# KiCad board RUSP_Mainboard-BGA.kicad_pcb (continued)
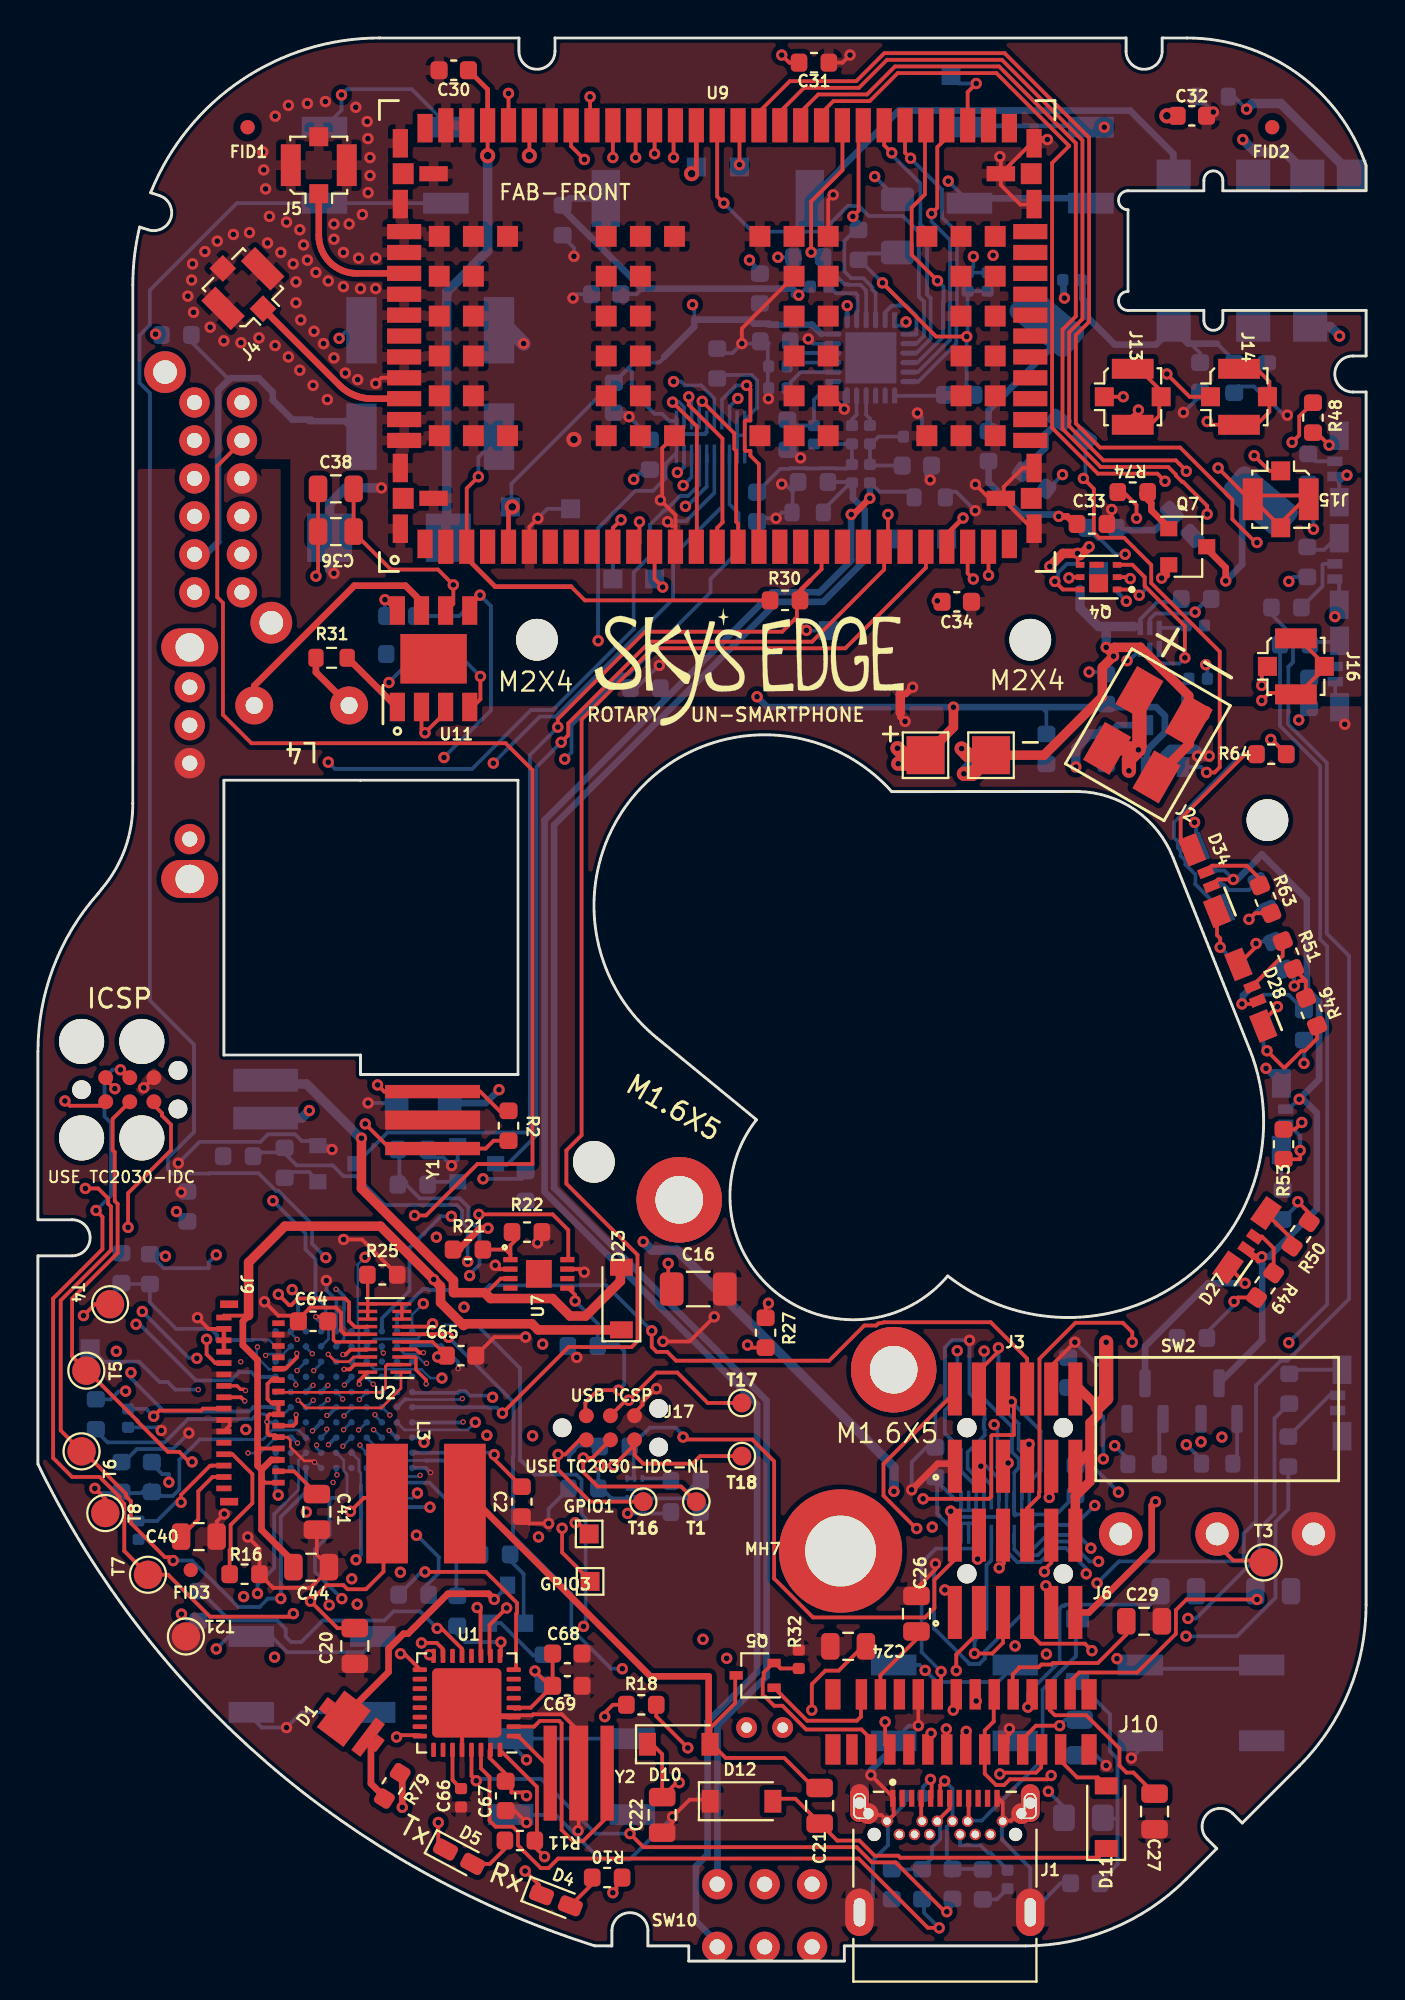
[diagram p0: board, top side]
## Routing (per net, layer and track width the routed paths; a pad name or vN(x,y) marks a point on that pad's centre or on a via; arc(x,y) is an arc through that point) (continued)
  L6_GND.Cu w0.2: 23.33,33.31 25.41,31.23 25.41,26.41 25.54,26.28 ; 25.54,26.28 26.2,25.62 28.38,25.62 28.65,25.35 28.65,23.53 28.86,23.32 28.86,17.74 v1(28.76,17.63) ; 25.54,26.28 25.42,26.4 25.38,26.4
/EPD_CS: length 55.7
  L3_3v8+GNDA.Cu w0.2: v1(21.79,39.23) 22.6,40.04 28.37,40.04 39.91,28.5 46.24,28.5 v1(49.87,32.13)
  L6_GND.Cu w0.18: U8.18 51.45,25.74
  L6_GND.Cu w0.2: U8.18 51.45,23.53 51.5,23.47 51.56,23.53 53.67,23.53 R26.2 ; v1(49.87,32.13) 49.87,29.62 51.33,28.16 51.33,26.82 51.69,26.47 51.69,25.97 51.45,25.74 ; 18.12,33.17 18.12,33.85 19.58,35.3 19.58,37.57 21.24,39.23 v1(21.79,39.23)
/EPD_DC: length 42.2
  L2_3v3+GNDA.Cu w0.14: v2(16.94,29.58) 19.9,29.58 20.33,29.15 22.3,29.15 22.33,29.18
  L2_3v3+GNDA.Cu w0.2: v1(50.4,28.26) 50.4,27.24 50.21,27.05 48.99,27.05 48.65,26.71 48.58,26.71 48.51,26.64 37.52,26.64 33.38,30.78 30.03,30.78 29.78,30.53 23.79,30.53 22.75,29.49 22.75,29.36 22.58,29.18 22.33,29.18
  L6_GND.Cu w0.14: U4.D6 17.33,29.96 v2(16.94,29.58)
  L6_GND.Cu w0.18: U8.17 51.05,25.51
  L6_GND.Cu w0.2: 51.05,25.51 50.56,26 50.56,28.1 v1(50.4,28.26)
/EPD_RESET: length 49.2
  L1_GND+GNDA.Cu w0.2: v1(38.5,34.65) 38.35,34.5 R27.2
  L2_3v3+GNDA.Cu w0.2: 37.92,34.62 38.47,34.62 v1(38.5,34.65) ; 37.92,34.62 43.9,28.65 46.3,28.65 48.05,30.4 48.05,30.85 48.45,31.25 v1(48.45,32.15) ; 37.92,34.62 37.92,34.03 35.79,31.9 30.75,31.9 30.3,32.35 27.54,32.35 26.82,31.63 23.32,31.63 22.4,30.71 v1(21.29,30.71)
  L6_GND.Cu w0.14: U4.D8 17.73,31.17 20.22,31.17 20.68,30.71 v1(21.29,30.71) 21.29,30.74
  L6_GND.Cu w0.18: U8.14 49.85,24.98
  L6_GND.Cu w0.2: v1(48.45,32.15) 48.45,29.66 47.8,29.01 47.8,27.8 48.65,26.95 48.65,25.8 49.29,25.17 49.66,25.17 49.85,24.98
/GPIO1: length 13.8
  L1_GND+GNDA.Cu w0.2: v1(28.32,23.09) 28.46,23.09 GPIO1.1
  L5_3v8.Cu w0.2: v1(20.66,23.91) 20.87,23.7 27.71,23.7 v1(28.32,23.09)
  L6_GND.Cu w0.14: 18.07,24.08 17.34,24.81 17.34,25.96 U4.D1
  L6_GND.Cu w0.2: 18.07,24.08 18.24,23.91 v1(20.66,23.91)
/GPIO3: length 18.9
  L1_GND+GNDA.Cu w0.2: v1(27.62,22.8) 27.62,21.53 29.15,20
  L5_3v8.Cu w0.2: v1(27.62,22.8) 26.57,21.75 21.34,21.75 20.9,22.19 20.9,22.28 19.88,23.3 19.88,24.53 v1(20,24.65)
  L6_GND.Cu w0.14: v1(20,24.65) 19.73,24.38 18.62,24.38 17.72,25.28 17.72,27.18 U4.D3
/GPIO4: length 14.8
  L2_3v3+GNDA.Cu w0.14: v2(15.23,28.74) 14.45,28.74 14.05,29.14 11.58,29.14 11.21,28.77 10.14,28.77 8.81,30.1 v2(8.45,30.1)
  L6_GND.Cu w0.2: 2.85,32.2 3.48,31.57 5.34,31.57 6.41,30.5 6.84,30.5 7.24,30.1 v2(8.45,30.1) ; 15.72,29.17 15.29,28.74 v2(15.23,28.74)
/LED_1A: length 74.4
  L2_3v3+GNDA.Cu w0.2: v1(60.51,17.11) 60.3,17.32 53.01,17.32 52.89,17.45 49.88,17.45 49.88,17.45 48.8,17.45 48.69,17.35 45.86,17.35 44.56,16.05 38.83,16.05 36.33,18.55 27.94,18.55 24.94,15.55 21.85,15.55 21.19,14.89 18.56,14.89 15.35,18.09 v1(15.35,18.75)
  L4_GND.Cu w0.14: 15.19,24.91 15.19,25.56 15.71,26.07 15.71,27.74 15.58,27.87 15.58,28.17 15.58,28.17 15.58,28.27 16.03,28.72 v2(16.13,28.72)
  L4_GND.Cu w0.2: 15.19,24.91 15.19,18.91 v1(15.35,18.75)
  L6_GND.Cu w0.14: 16.52,29.17 16.52,29.11 v2(16.13,28.72)
  L6_GND.Cu w0.2: R59.2 65.9,23.81 65.22,23.13 65.22,19.14 63.19,17.11 v1(60.51,17.11)
/LED_1R: length 73.7
  L2_3v3+GNDA.Cu w0.2: v1(16.02,19.09) 15.9,18.98 15.9,18.04 18.7,15.24 21.04,15.24 21.7,15.9 24.8,15.9 27.8,18.9 36.48,18.9 38.98,16.4 44.42,16.4 45.72,17.7 48.55,17.7 48.7,17.85 52.98,17.85 53.16,17.67 60.24,17.67 v1(60.61,18.05)
  L6_GND.Cu w0.14: 16.24,24.56 16.29,24.61 16.29,25.65 16.12,25.82 16.12,26.38 15.72,26.78
  L6_GND.Cu w0.2: v1(16.02,19.09) 14.6,20.51 14.6,21.69 15.37,22.46 15.37,24.29 15.48,24.4 16.08,24.4 16.24,24.56 ; R60.2 65.18,28.59 65.18,23.58 64.37,22.77 64.37,21.38 61.04,18.05 v1(60.61,18.05)
/LED_2A: length 118.2
  L2_3v3+GNDA.Cu w0.2: v1(16.83,18.8) 17.5,18.12 21.65,18.12 21.72,18.05 24.93,18.05 26.38,19.5 36.42,19.5 39.17,16.75 44.27,16.75 45.72,18.2 55.87,18.2 69.05,31.38 69.05,52.69 68.16,53.59 68.16,67.35 67.23,68.29 v1(67.23,75.42)
  L5_3v8.Cu w0.14: v2(16.11,27.99) 16.11,27.99 15.68,27.56 15.68,26.2 16.12,25.76 16.12,25.44 15.91,25.23 15.91,24.8 15.91,24.8
  L5_3v8.Cu w0.2: 15.91,24.8 15.92,24.79 15.92,19.98 16.83,19.07 v1(16.83,18.8)
  L6_GND.Cu w0.14: v2(16.11,27.99) 16.49,28.38 16.52,28.38
  L6_GND.Cu w0.2: 67.05,77.85 67.05,77.05 67.23,76.88 v1(67.23,75.42)
/LED_2R: length 122.7
  L1_GND+GNDA.Cu w0.2: R48.2 66.47,81.36 66.47,80.37 v1(66.1,80)
  L2_3v3+GNDA.Cu w0.2: v1(66.1,80) 63.65,77.55 63.65,71.37 67.81,67.21 67.81,53.44 68.7,52.55 68.7,32.98 58.83,23.1 58.83,21.65 55.73,18.55 45.96,18.55 45.92,18.6 45.63,18.6 44.13,17.1 39.32,17.1 36.57,19.85 24.53,19.85 24.28,19.6 21.63,19.6 21.29,19.26 18.01,19.26 17.89,19.13 17.33,19.13 17.05,19.41 17.05,19.63 v1(16.54,20.14)
  L5_3v8.Cu w0.14: v1(16.54,20.14) 16.24,20.44 16.24,21.35 16.99,22.1 16.99,25.42 16.07,26.34 v2(16.07,27.12)
  L6_GND.Cu w0.14: v2(16.07,27.12) U4.E3
/LED_3A: length 111
  L2_3v3+GNDA.Cu w0.2: 49.95,19 47.57,19 47.55,19.03 45.56,19.03 43.98,17.45 39.98,17.45 37.1,20.32 21.62,20.32 21.23,19.93 18.87,19.93 18.55,20.25 17.65,20.25 v1(16.76,21.14) ; 49.95,19 54.88,19 55.79,19.91 v1(55.82,19.91) ; 49.95,19 49.98,19.03
  L6_GND.Cu w0.14: 17.02,25.07 17.02,25.71 16.92,25.81 16.92,26.38 16.52,26.78
  L6_GND.Cu w0.2: 17.02,25.07 17.02,21.4 v1(16.76,21.14) ; R55.2 64.78,71.06 64.89,71.06 66.15,69.8 66.15,68.42 65.9,68.18 65.9,65.15 67.92,63.12 67.92,54.12 69.1,52.95 69.1,34.88 65.85,31.62 65.5,31.62 64.2,30.32 64.2,23.17 63.55,22.52 63.55,21.06 56.98,21.06 55.84,19.91 v1(55.82,19.91)
/LED_3R: length 102.5
  L3_3v8+GNDA.Cu w0.14: 22.25,32.3 22.21,32.34 20.75,32.34 20.41,32.68 20.06,32.68 19.94,32.8 13.71,32.8 v2(13.66,32.75)
  L3_3v8+GNDA.Cu w0.2: 22.25,32.3 23.54,32.3 25.6,30.24 25.6,27.98 25.52,27.9 25.52,26.93 26.08,26.37 26.93,26.37 27.94,25.36 33.62,25.36 33.89,25.63 46.57,25.63 47.95,24.25 48.33,24.25 48.63,23.95 52.02,23.95 56.52,28.45 57.47,28.45 63.22,34.2 63.27,34.2 66.87,37.8 67.33,37.8 67.43,37.9 67.43,65.53 65.92,67.03 v1(65.92,72.67)
  L6_GND.Cu w0.14: 13.33,33.17 13.33,33.08 v2(13.66,32.75)
  L6_GND.Cu w0.2: R56.2 66.16,72.91 v1(65.92,72.67)
/LED_4A: length 90.9
  L2_3v3+GNDA.Cu w0.14: 22.31,30.13 20.7,30.13 20.6,30.03 16.78,30.03 16.57,30.24 16.57,30.54 16.31,30.8 14.97,30.8 v2(14.5,30.33)
  L2_3v3+GNDA.Cu w0.2: v1(66.45,65.38) 66.51,65.31 66.51,62.01 66.6,61.92 66.6,52.78 67.65,51.73 67.65,35.38 62.28,30.01 48.33,30.01 46.5,28.17 42.92,28.17 42.75,28 37.2,28 33.65,31.55 28.93,31.55 28.63,31.25 23.43,31.25 22.31,30.13
  L6_GND.Cu w0.2: R57.2 66.45,65.46 v1(66.45,65.38) ; v2(14.5,30.33) 14.48,30.33 U4.H6
/LED_4R: length 90.4
  L2_3v3+GNDA.Cu w0.2: v2(22.36,29.63) 23.64,30.9 29.53,30.9 29.82,31.2 33.51,31.2 37.06,27.65 47.13,27.65 48.83,29.35 49.26,28.91 51.53,28.91 52.28,29.66 62.49,29.66 65.41,32.57 v1(65.92,32.57)
  L6_GND.Cu w0.14: 19.51,29.59 19.52,29.58 21.85,29.58 22.32,29.58 v2(22.36,29.63)
  L6_GND.Cu w0.2: R58.2 65.46,65.06 67.58,62.95 67.58,53.82 67.95,53.45 67.95,34.6 v1(65.92,32.57) ; 19.51,29.59 19.34,29.59 18.92,29.17
/LED_5A: length 47.3
  L2_3v3+GNDA.Cu w0.14: v2(18.55,28.76) 20.09,28.76 20.18,28.85
  L2_3v3+GNDA.Cu w0.2: 20.18,28.85 20.2,28.83 22.72,28.83 22.82,28.93 23.28,28.93 24.45,27.76 25.38,27.76 25.84,28.22 26.55,28.22 26.67,28.1 26.67,27.28 26.87,27.08 26.87,26.46 27.8,25.52 58.84,25.52 v1(60.52,27.2)
  L6_GND.Cu w0.14: 18.14,29.17 v2(18.55,28.76)
  L6_GND.Cu w0.2: v1(60.52,27.2) 61.33,26.4 R42.2 ; 18.12,29.17 18.14,29.17
/LED_5R: length 40.4
  L2_3v3+GNDA.Cu w0.2: v1(56.75,27.15) 56.07,27.15 55.54,26.62 52.06,26.62 51.9,26.79 50.91,26.79 50.66,26.54 50,26.54 49.92,26.62 49.11,26.62 48.78,26.29 32.3,26.29 28.98,29.61 24.05,29.61 v1(23.96,29.7)
  L6_GND.Cu w0.14: 19.77,29.94 19.73,29.97 U4.A6
  L6_GND.Cu w0.2: R43.2 57.45,26.45 v1(56.75,27.15) ; 19.77,29.94 19.78,29.93 22.12,29.93 22.2,30.01 22.53,30.01 22.75,29.79 23.88,29.79 v1(23.96,29.7)
/LED_BELL: length 8.5
  L6_GND.Cu w0.14: 20.48,26.31 20.42,26.37 19.33,26.37 18.92,26.78
  L6_GND.Cu w0.2: 20.42,26.37 21.41,26.37 23.31,24.47 R78.2
/LED_FILAMENT: length 80.7
  L1_GND+GNDA.Cu w0.2: v1(57.9,76) 57.9,76.69 57.21,77.38
  L4_GND.Cu w0.14: v2(14.51,29.54) 14.92,29.95 14.92,30.48 15.38,30.94 15.38,31.09 15.71,31.42 15.71,32.1 16.1,32.48 16.17,32.48
  L4_GND.Cu w0.2: 23.86,40.61 27.45,44.2 27.45,61.49 28.62,62.67 28.62,69.93 32.7,74.01 53.69,74.01 55.38,75.7 57.6,75.7 v1(57.9,76) ; 23.9,40.65 23.25,40.65 22.34,39.74 22.34,38.65 16.17,32.48
  L6_GND.Cu w0.14: 14.12,29.17 14.15,29.17 v2(14.51,29.54)
/LED_STAT: length 80.2
  L4_GND.Cu w0.14: 16.48,30.6 16.52,30.56 16.52,30 16.51,29.99 15.72,29.99 15.3,29.57 v2(15.28,29.57)
  L4_GND.Cu w0.2: 16.48,30.6 16.48,30.97 16.52,31.01 16.52,32.34 22.69,38.51 22.69,39.6 22.98,39.88 23.67,39.88 27.8,44.01 27.8,61.35 28.97,62.52 28.97,69.79 30.24,71.05 52.9,71.05 53,70.95 54.15,70.95 v1(57.3,74.1)
  L6_GND.Cu w0.14: 14.92,29.17 14.92,29.21 v2(15.28,29.57)
  L6_GND.Cu w0.2: v1(57.3,74.1) 56.8,74.1 56,74.9 55.86,74.9 R44.2
/MCURX-TO-FTDITX: length 10.1
  L6_GND.Cu w0.14: 18.77,25.42 18.52,25.67 18.52,26.38 18.12,26.78
  L6_GND.Cu w0.2: 22.05,19.25 22.05,23.78 20.63,25.2 18.99,25.2 18.77,25.42
/MCUTX-TO-FTDIRX: length 11.6
  L5_3v8.Cu w0.14: v2(17.69,27.99) 18.16,27.52 18.16,25.39
  L5_3v8.Cu w0.2: v1(19.95,22.43) 19.56,22.43 19.46,22.33 18.99,22.33 18.99,22.35 18.03,23.31 18.03,25.26 18.16,25.39
  L6_GND.Cu w0.14: v2(17.69,27.99) 17.71,27.99 U4.C3
  L6_GND.Cu w0.2: 20.29,19.6 21.12,20.44 21.12,21.28 20.03,22.37 20.01,22.37 v1(19.95,22.43)
/MISO: length 102.2
  L1_GND+GNDA.Cu w0.2: T6.1 1.2,27.95 1.2,34.8 3.85,37.45 3.85,39.74 3.7,39.89 3.7,40.18 3.18,40.7 v1(2.5,40.7) ; v1(51.14,26.24) 50.96,26.06 J3.5 ; 2.35,26.9 4.65,24.6 4.65,24.48 4.9,24.22 4.9,23.07 6.69,21.27 6.95,21.27 v1(7.13,21.1) ; J7.1 3.36,45.05 1.67,45.05 v1(1.42,45.31)
  L2_3v3+GNDA.Cu w0.2: v1(12.8,19.1) 13.56,19.1 13.82,18.84 13.82,18.73 14.14,18.41 14.25,18.41 18.12,14.54 21.33,14.54 21.99,15.2 25.2,15.2 28.2,18.2 35.63,18.2 38.13,15.7 44.71,15.7 46,17 48.84,17 48.94,17.1 49.73,17.1 49.78,17.05 51.05,17.05 v1(51.5,16.6) ; v1(2.5,40.7) 3.9,42.1 3.9,44 2.85,45.05 1.67,45.05 v1(1.42,45.31)
  L5_3v8.Cu w0.2: 51.45,16.85 51.45,16.5 ; 51.45,16.85 51.45,16.85 ; 51.45,16.85 51.45,19.6 51.62,19.77 51.62,25.75 v1(51.14,26.24)
  L6_GND.Cu w0.2: U4.H1 14.12,24.72 12.8,23.4 v1(12.8,19.1) 12.13,19.1 11.68,18.65 10.57,18.65 8.12,21.1 v1(7.13,21.1)
/MOSI: length 133.2
  L1_GND+GNDA.Cu w0.2: J3.4 49.59,31.08 50.62,32.11 v1(50.62,32.31) ; U2.14 17.32,33.42 17.3,33.4 16.71,33.4 16.4,33.71 16.4,34.7 16.2,34.9 13.7,34.9 13.35,34.55 13.24,34.55 v1(12.67,35.12) ; v1(4.35,46.95) 4.77,46.53 J7.4 ; v1(3.06,39.54) 3.4,39.2 3.4,37.5 0.8,34.9 0.8,26.5 1.8,25.5 3.26,25.5 4.3,24.46 4.3,24.33 4.55,24.08 4.55,21.6 T7.1 6.86,20.35 9.07,18.14 13.3,18.14 v1(13.46,18.3)
  L2_3v3+GNDA.Cu w0.2: v1(35.05,16.95) 34.05,15.95 28.76,15.95 26.96,14.15 22.43,14.15 21.76,13.48 17.48,13.48 13.11,17.85 13.11,17.95 v1(13.46,18.3)
  L3_3v8+GNDA.Cu w0.2: v1(12.67,35.12) 12.67,35.13 12.08,35.72 12.08,36.27 9.06,36.27 5.79,39.54 v1(3.06,39.54) ; v1(47.13,22.86) 47.13,22.44 46.45,21.75 46.45,19.55 44.15,17.25 35.35,17.25 v1(35.05,16.95)
  L5_3v8.Cu w0.14: v1(12.67,35.12) 13.49,34.3 14.8,34.3 15,34.1 15,33.79 14.89,33.69 14.89,29.01 14.83,28.95 14.83,28.41 v2(15.22,28.02)
  L5_3v8.Cu w0.2: v1(50.62,32.31) 50.62,28.87 50.95,28.54 50.95,28 49.57,26.62 49.44,26.62 47.28,24.45 47.28,24.18 47.21,24.11 47.21,22.93 v1(47.13,22.86)
  L6_GND.Cu w0.14: v2(15.22,28.02) 15.22,27.87 U4.G3
  L6_GND.Cu w0.18: U8.19 51.85,25.64
  L6_GND.Cu w0.2: v1(4.35,46.95) 3.93,46.95 3.5,46.53 3.5,44.5 3.85,44.15 3.85,40.33 v1(3.06,39.54) ; v1(50.62,32.31) 50.62,29.37 51.68,28.3 51.68,26.96 52.04,26.61 52.04,25.83 51.85,25.64
/NET_STAT: length 71.6
  L1_GND+GNDA.Cu w0.2: U9.25 46.8,73.4 42.55,69.15 32.4,69.15 28.65,65.4 28.65,43.5 27.85,42.7 27.85,40.95 31.6,37.2 31.6,32.65 31.29,32.34 28.64,32.34 28.63,32.35 27.97,32.35 v1(24.48,28.86) ; 46.8,73.9 46.8,74.7
  L6_GND.Cu w0.2: 19.73,29.17 23.71,29.17 23.73,29.15 24.19,29.15 v1(24.48,28.86)
/OFFSIGNAL: length 72.7
  L1_GND+GNDA.Cu w0.2: 10.8,80.1 9.45,78.75 9.45,71.85 9.75,71.55 9.75,65.65 11.25,64.15 24.65,64.15 26.07,62.73 26.07,41.99 23.16,41.99 20.45,39.28 v1(19.85,39.28)
  L5_3v8.Cu w0.14: v2(17.67,30.39) 17.37,30.69 17.37,35.6
  L5_3v8.Cu w0.2: 17.37,35.56 16.61,36.32 16.61,37.22 17.11,37.72 18.29,37.72 v1(19.85,39.28)
  L6_GND.Cu w0.14: U4.D7 17.33,30.73 v2(17.67,30.39)
/OLED DRIVER/OLED_CS_3V3: length 10.9
  L1_GND+GNDA.Cu w0.14: v2(13.71,29.54) 13.73,29.54 14.13,29.14 18.1,29.14 19.13,30.17 U2.1
  L1_GND+GNDA.Cu w0.2: J9.17 10.7,29.7 v2(10.9,29.5)
  L2_3v3+GNDA.Cu w0.14: v2(13.71,29.54) 13.67,29.5 v2(10.9,29.5)
/OLED DRIVER/OLED_DC_3V3: length 14
  L1_GND+GNDA.Cu w0.14: v2(10.94,30.05) 10.9,30.09 10.9,30.12
  L1_GND+GNDA.Cu w0.18: 10.9,30.12 10.68,30.12 10.5,30.3 J9.19 ; U2.3 19.85,31.82 19.92,31.75 19.92,31.15 20.46,30.61 v2(20.46,30.4)
  L3_3v8+GNDA.Cu w0.14: v2(20.46,30.4) 20.03,29.97 18.91,29.97 18.08,29.14 11.85,29.14 v2(10.94,30.05)
/OLED DRIVER/OLED_IREF: length 7.7
  L1_GND+GNDA.Cu w0.2: J9.7 10.25,26.7 11.3,25.65 11.3,24.12 10.15,22.97 10.15,21.7 10.1,21.65 R16.1
/OLED DRIVER/OLED_MOSI_3V3: length 15.8
  L1_GND+GNDA.Cu w0.2: U2.7 20.65,33.42 v1(20.8,33.57) ; J9.23 9.35,31.5 8.89,31.96 v1(8.89,32.75)
  L3_3v8+GNDA.Cu w0.2: v1(8.89,32.75) 9.64,33.5 20.73,33.5 v1(20.8,33.57)
/OLED DRIVER/OLED_RES_3V3: length 7.8
  L1_GND+GNDA.Cu w0.14: J9.18 12.72,29.96 18.11,29.96 18.32,30.17 18.32,31.33 18.34,31.35
  L1_GND+GNDA.Cu w0.18: 18.34,31.35 18.41,31.42 U2.2
/OLED DRIVER/OLED_SCL_3V3: length 9.7
  L1_GND+GNDA.Cu w0.2: U2.4 19.93,32.22 20.1,32.05 v2(20.32,32.05) ; v2(13.64,32.01) 13.64,31.79 13.05,31.2 J9.22
  L2_3v3+GNDA.Cu w0.14: v2(20.32,32.05) 19.84,31.57 15.02,31.57 14.99,31.6 14.08,31.6 13.82,31.86 13.79,31.86 v2(13.64,32.01)
/OLED DRIVER/OLED_VCOMH: length 2.5
  L1_GND+GNDA.Cu w0.2: J9.4 13.5,25.8 C41.1
/OLED DRIVER/OLED_VLOGIC: length 5.9
  L1_GND+GNDA.Cu w0.2: v1(7.54,24.17) 7.54,24.56 9.07,26.09 9.17,26.09 9.18,26.1 J9.5
  L6_GND.Cu w0.2: v1(7.54,24.17) 7.26,24.17 6.28,23.19 C45.2
/OLED DRIVER/OLED_VP: length 4.4
  L1_GND+GNDA.Cu w0.2: C40.1 8.45,23.27 8.45,24.75 9.2,25.5 J9.3
/OLED_CS: length 6.8
  L1_GND+GNDA.Cu w0.2: v2(16.93,30.39) 16.91,30.41 16.91,30.55 U2.20
  L2_3v3+GNDA.Cu w0.14: v2(16.93,30.39) 16.93,30.43 17.27,30.77 19.76,30.77 v2(20.48,31.49)
  L6_GND.Cu w0.14: v2(20.48,31.49) 20.37,31.49 19.89,31.97 19.33,31.97 18.92,32.38
/OLED_DC: length 9
  L1_GND+GNDA.Cu w0.14: v2(15.3,31.96) 15.69,31.57 16.39,31.57 16.64,31.82 U2.18
  L3_3v8+GNDA.Cu w0.14: v2(15.3,31.96) 15.03,31.96 14.62,32.37 13.07,32.37 13.05,32.35 v2(11.57,32.35)
  L6_GND.Cu w0.14: v2(11.57,32.35) 11.53,32.31 11.53,31.82 12.18,31.17 12.92,31.17 U4.J8
/OLED_RES: length 7.3
  L1_GND+GNDA.Cu w0.2: U2.19 16.69,31.42 16.44,31.17 v4(16.13,31.17)
  L3_3v8+GNDA.Cu w0.14: v4(16.13,31.17) 15.74,31.56 13.32,31.56 12.98,31.9 v2(12,31.9)
  L6_GND.Cu w0.14: v2(12,31.9) 12.06,31.97 12.92,31.97 13.33,32.38
/PDn: length 48.4
  L1_GND+GNDA.Cu w0.2: J6.10 53.4,20.98 53.05,20.62 v1(53.05,20.51)
  L2_3v3+GNDA.Cu w0.2: v1(19.1,20.48) 19.67,21.05 21.64,21.05 21.89,20.8 37.33,20.8 40.1,18.03 43.67,18.03 45.87,20.22 47.92,20.22 48.64,19.5 52.03,19.5 v1(53.05,20.51)
  L5_3v8.Cu w0.14: v2(16.9,27.98) 16.9,27.97 16.59,27.66 16.59,26.23 17.33,25.49 17.33,22.25
  L5_3v8.Cu w0.2: v1(19.1,20.48) 17.33,22.25
  L6_GND.Cu w0.14: v2(16.9,27.98) 16.93,27.98 17.33,28.38
/POWSW4: length 84.6
  L1_GND+GNDA.Cu w0.5: v1(53.3,24.42) 53.3,25.9 53.42,26.03
  L2_3v3+GNDA.Cu w0.5: 8.3,76.2 9.55,74.95 9.55,70.33 11.1,68.77 21.23,68.77 26.7,63.3 26.7,52.5 31.15,48.05 31.15,38.65 v1(31.9,37.9) ; v1(53.3,24.42) 52.73,23.85 49.05,23.85 48.42,24.48 47.89,24.48 46.96,23.55 46.31,23.55 v1(45.12,24.74)
  L6_GND.Cu w0.5: v1(45.12,24.74) 45.12,26.01 33.68,37.45 32.35,37.45 v1(31.9,37.9)
/RELAY_OFF: length 48.1
  L1_GND+GNDA.Cu w0.2: v1(49.52,21.18) 49.55,21.2 49.55,22.15
  L2_3v3+GNDA.Cu w0.2: v1(26.07,27.67) 26.07,26.66 27.63,25.1 43.76,25.1 45.76,23.1 45.76,22.53 46.81,21.48 49.22,21.48 v1(49.52,21.18)
  L3_3v8+GNDA.Cu w0.2: v1(13.4,35.37) 13.76,35.37 15.05,34.08 20.53,34.08 20.72,34.27 21.45,34.27 23.07,32.65 23.68,32.65 26.1,30.23 26.1,27.7 v1(26.07,27.67)
  L6_GND.Cu w0.2: 14.12,33.17 13.71,33.59 13.71,35.06 v1(13.4,35.37)
/RESET: length 47.5
  L1_GND+GNDA.Cu w0.2: v1(4.75,38.65) 4.75,40.45 7.01,42.71 7.01,44.06 6.53,44.53 6.53,44.67 6.11,45.09 J7.5 ; v1(3,24.9) 3.55,24.35 T8.1
  L2_3v3+GNDA.Cu w0.2: v1(3,24.9) 3,23.79 7.56,19.23 v1(7.56,18.28)
  L3_3v8+GNDA.Cu w0.2: v1(4.75,38.65) 3.95,37.85 3.95,32.72 3,31.77 v1(3,24.9)
  L6_GND.Cu w0.14: U4.H3 13.73,27.97 12.36,27.97 11.87,27.48 10.69,27.48
  L6_GND.Cu w0.2: v1(3,24.9) 3.25,24.65 5.45,24.65 5.9,25.1 ; 10.69,27.48 8.53,27.48 7.45,26.4 7.45,24.85 7.1,24.5 6.5,24.5 6,25 6,25.01 ; 8.47,18 7.84,18 v1(7.56,18.28)
/RINGER+: length 68.9
  L1_GND+GNDA.Cu w0.2: 22.7,65.85 23.32,66.47 v1(23.32,67.67)
  L3_3v8+GNDA.Cu w0.14: v2(15.28,30.33) 15.17,30.33 14.78,29.94 13.39,29.94 11.06,32.27 9.14,32.27 9.11,32.23 8.67,32.23 8.64,32.27 4.28,32.27 v1(4.13,32.12)
  L5_3v8.Cu w0.2: v1(4.13,32.12) 4.91,32.12 8.1,35.31 8.1,42.97 6.53,44.53 6.53,47.27 7.03,47.76 7.03,53.77 5.5,55.3 5.5,58.9 11,64.4 17.41,64.4 18.5,65.49 v1(18.5,67.35)
  L6_GND.Cu w0.2: v2(15.28,30.33) 15.28,30.3 15.25,30.3 U4.G6 ; v1(23.32,67.67) 22.14,68.85 R23.1 19.94,68.79 v1(18.5,67.35)
/RINGER-: length 68.5
  L1_GND+GNDA.Cu w0.2: v1(23.3,71.95) 22.75,71.4 22.75,71
  L2_3v3+GNDA.Cu w0.14: v2(10.69,31.57) 10.81,31.57 12.41,29.97 15.69,29.97 v2(16.06,29.6)
  L5_3v8.Cu w0.2: v1(21.4,63.4) 20.9,63.9 11.25,63.9 5.85,58.5 5.85,55.44 8.48,52.82 8.48,35.67 9.9,34.25 9.9,34.3 10.69,33.51 v2(10.69,31.57)
  L6_GND.Cu w0.14: U4.F6 16.06,29.64 v2(16.06,29.6)
  L6_GND.Cu w0.2: R24.1 22.2,70.85 v1(23.3,71.95) 23.87,71.38 23.87,65.87 v1(21.4,63.4)
/SCK: length 90.3
  L1_GND+GNDA.Cu w0.2: v1(51.31,29.46) 51.3,29.45 51,29.45 ; v2(16.07,31.95) 16.22,31.95 16.47,32.2 17.3,32.2 17.32,32.22 U2.17 ; J7.3 3.94,44.36 3.94,42.72 4.05,42.61 4.05,40.04 4.2,39.89 4.2,37.3 1.8,34.9 1.8,31.85 T5.1 ; v1(46.65,24.35) 50.13,24.35 50.24,24.47 50.24,27.66 50.29,27.71 51.44,27.71 51.44,29.39 50.8,30.03 ; v1(8.12,26.3) 7.97,26.3 7.45,26.82 6.85,26.82 5.25,28.42 5.25,28.45 2.55,31.15
  L3_3v8+GNDA.Cu w0.2: v1(8.12,26.3) 8.97,25.45 15.32,25.45 v2(15.55,25.21) 15.74,25.21 15.74,25.21 19.4,25.21 19.41,25.2 21.6,25.2 21.88,24.92 35.62,24.92 35.85,25.15 43.89,25.15 44.99,24.05 46.35,24.05 v1(46.65,24.35)
  L5_3v8.Cu w0.14: v2(15.55,25.21) 15.57,25.23 14.99,25.81 14.99,26.64 14.69,26.94 v2(14.69,27.18) 14.69,27.5 14.85,27.66 15.37,27.66 15.58,27.87 15.58,28.56 15.7,28.68 15.7,31.58 v2(16.07,31.95)
  L6_GND.Cu w0.14: v2(14.69,27.18) 14.69,27.01 14.92,26.78
  L6_GND.Cu w0.18: U8.20 52.25,25.15 52.21,25.19
  L6_GND.Cu w0.2: 52.21,25.19 52.85,25.83 52.85,27.92 v1(51.31,29.46)
/SD_CD: length 42.8
  L1_GND+GNDA.Cu w0.2: v1(52.23,27.22) 52.23,26.16 52.14,26.06
  L3_3v8+GNDA.Cu w0.2: v1(22.45,34.44) 23.13,35.12 26.83,35.12 29.82,32.13 29.79,32.1 29.79,31.53 30.02,31.3 32.9,31.3 37.5,26.7 47.1,26.7 48.5,25.3 48.77,25.3 48.84,25.23 50.91,25.23 52.23,26.55 v1(52.23,27.22)
  L4_GND.Cu w0.14: 18.45,32.52 18.21,32.28 v2(18.21,32.03)
  L4_GND.Cu w0.2: 18.45,32.52 18.45,32.63 19.73,33.91 20.36,33.91 20.9,34.44 v1(22.45,34.44)
  L6_GND.Cu w0.14: v2(18.21,32.03) 18.12,32.11 18.12,32.38
/SD_CS: length 40.1
  L1_GND+GNDA.Cu w0.2: 52.14,30.13 52.14,31.73 50.21,33.65 44.6,33.65 44.45,33.62 44.45,33.61 44.29,33.58 44.18,33.48 43.55,33.48 41.7,31.62 33.63,31.62 33.17,32.09 32.61,32.09 32.35,32.35 v1(32.35,33.2)
  L6_GND.Cu w0.2: 18.92,33.17 18.92,34.03 20.29,35.4 20.55,35.4 20.6,35.35 23.55,35.35 23.8,35.6 29.95,35.6 v1(32.35,33.2)
/SIM_CLK: length 111.6
  L1_GND+GNDA.Cu w0.2: 52.14,22.44 52.14,23.85 52.76,24.47 52.76,24.69 52.78,24.72 52.78,31.73 54.68,33.62 57.17,33.62 57.67,33.12 v1(57.67,32.6) ; 41.35,96.5 41.35,97.4 41.92,97.97 43.84,97.97 45.31,99.45 50.51,99.45 54.35,95.61 53.45,94.71 53.45,80.76 55.86,78.35 59,78.35 v1(59.4,77.95) 59.48,77.95
  L2_3v3+GNDA.Cu w0.2: v1(59.4,77.95) 59.4,73.45 65.9,66.95 65.9,64.57 66.08,64.4 66.08,61.96 66.25,61.78 66.25,55.62 65.67,55.04 65.67,51.14 66.18,50.63 66.18,46.47 67.16,45.49 67.16,43.86 67.1,43.8 67.1,36.25 62.87,32.02 58.25,32.02 v1(57.67,32.6)
/SIM_IO: length 112.2
  L1_GND+GNDA.Cu w0.2: 53.4,19.01 53.13,19.29 v1(53.13,19.77) ; 40.2,96.6 40.2,97.4 41.13,98.32 43.69,98.32 45.17,99.8 50.66,99.8 54.7,95.76 54.7,86.64 54,85.94 54,80.71 56.01,78.7 59.58,78.7 59.98,78.3 59.98,78.25 60.3,77.93 60.35,77.93 61.62,76.65 v1(61.62,76.22) 61.62,76.2
  L2_3v3+GNDA.Cu w0.2: v1(61.62,76.22) 61.62,76.15 61.98,75.8 61.98,72.05 67.06,66.96 67.06,53.01 68,52.07 68,33.5 62.65,28.15 62.1,28.15 v1(61.3,27.35)
  L3_3v8+GNDA.Cu w0.2: v1(53.13,19.77) 53.84,19.05 55.95,19.05 61.28,24.38 61.28,27.33 v1(61.3,27.35)
/SIM_RST: length 117.7
  L1_GND+GNDA.Cu w0.2: v1(55.55,16.35) 55.18,16.72 52.83,16.72 52.15,17.4 52.15,18.3 ; v1(60.52,78.47) 60.52,78.5 59.98,79.05 56.16,79.05 54.35,80.86 54.35,85.8 55.05,86.5 55.05,95.9 50.8,100.15 44.75,100.15 43.27,98.67 40.38,98.67 39.1,97.4 U9.58
  L2_3v3+GNDA.Cu w0.2: v1(62.4,27.6) 62.67,27.6 68.35,33.28 68.35,52.35 67.46,53.24 67.46,67.07 63.1,71.42 63.1,72.42 63.15,72.47 63.15,72.93 63.1,72.98 63.1,75.9 v1(60.52,78.47)
  L3_3v8+GNDA.Cu w0.2: v1(62.4,27.6) 61.83,27.03 61.83,24.44 55.55,18.16 v1(55.55,16.35)
/SW_CLEAR: length 88
  L5_3v8.Cu w0.2: v1(47.98,93.76) 42.77,88.55 36.79,88.55 28.9,80.66 28.9,68.75 25.9,65.75 25.9,60.99 25.68,60.77 25.68,45.77 24.18,44.27 24.18,42.81 21,39.63 21,39.53 18.54,37.07 v1(17.24,37.07)
  L6_GND.Cu w0.14: v1(17.24,37.07) 16.85,36.68 16.85,33.45 16.92,33.38 16.92,31.97 U4.E8
  L6_GND.Cu w0.2: 48.9,92.6 48.9,92.84 v1(47.98,93.76)
  L6_GND.Cu w0.35: 55.57,92.5 55.21,92.86 49.16,92.86 48.9,92.6
/SW_HOOK: length 85.3
  L5_3v8.Cu w0.14: 16.45,35.2 16.58,35.07 16.58,30.93 16.15,30.5 v2(16.15,30.35)
  L5_3v8.Cu w0.2: 16.45,35.2 16.45,35.74 15.11,37.08 15.15,37.08 v1(15.17,37.06)
  L6_GND.Cu w0.2: 21.7,92.6 14.6,92.6 ; v1(15.17,37.06) 14.45,37.78 14.45,38.8 12.67,40.57 12.55,40.57 11.62,41.5 9.04,41.5 9.02,41.48 7.09,41.48 6.85,41.72 6.85,42.29 8.23,43.67 8.23,48.27 5.9,50.6 5.9,82.59 5.35,83.14 5.35,85.63 5.9,86.18 5.9,88.01 10.49,92.6 14.9,92.6 ; U4.E7 16.52,30.72 v2(16.15,30.35)
/SW_MODE1: length 41.6
  L4_GND.Cu w0.14: v2(14.53,31.1) 14.02,31.62 14.02,34.89 13.93,34.98
  L4_GND.Cu w0.2: 13.95,34.98 13.95,37.67 8.4,43.22 8.4,48.99 5.32,52.06 5.32,64.42 SW1.4
  L6_GND.Cu w0.14: U4.G8 14.92,31.49 v2(14.53,31.1)
/SW_MODE2: length 37.7
  L4_GND.Cu w0.2: v1(12.38,40.05) 8.75,43.68 8.75,52.57 6,55.32 6,62.7 8.4,65.1
  L6_GND.Cu w0.14: 15.17,33.87 15.32,33.72 15.32,32.77 14.92,32.38
  L6_GND.Cu w0.2: v1(12.38,40.05) 14.1,38.33 14.1,37.49 14.63,36.96 14.63,35.01 15.17,34.47 15.17,33.87
/SW_MODE3: length 37.4
  L3_3v8+GNDA.Cu w0.2: v2(15.71,35.39) 15.62,35.3 14.97,35.3 13.57,36.7 9.68,36.7 9.63,36.65 9.17,36.65 8.85,36.97 8.85,37 6.6,39.25 6.6,42.04 8.23,43.67 8.23,48.77 6.7,50.3 6.6,50.3 6,50.9 6,57.83 7.27,59.1 8.4,59.1
  L6_GND.Cu w0.14: 16.13,34.28 16.13,32.78 15.72,32.38
  L6_GND.Cu w0.2: 16.13,34.28 16.13,35.01 15.75,35.39 v2(15.71,35.39)
/SW_MULTI1: length 66.9
  L2_3v3+GNDA.Cu w0.2: v1(11.57,19.36) 11.81,19.12 11.81,18.23 12.1,17.94 12.21,17.94 17.02,13.13 21.91,13.13 22.39,13.61 28.57,13.61 29.08,14.12 44.79,14.12 46.57,15.9 48.85,15.9 49.57,15.17 56.11,15.17 v1(56.87,15.93)
  L6_GND.Cu w0.14: 14.12,26.78 13.73,26.38 13.73,24.82 13.01,24.1
  L6_GND.Cu w0.2: SW3.1 57.2,15.6 v1(56.87,15.93) ; 64.7,15.6 64.5,15.4 57.9,15.4 ; v1(11.57,19.36) 11.57,19.83 12.45,20.71 12.45,23.54 13.01,24.1
/SW_MULTI2: length 62
  L2_3v3+GNDA.Cu w0.2: v1(12.47,16.01) 13.04,16.01 19,10.05 29.67,10.05 33.39,13.77 44.94,13.77 46.48,15.31 v1(46.76,15.31)
  L5_3v8.Cu w0.2: v2(13.68,27.29) 12.16,27.29 9.15,24.28 9.15,19.33 v1(12.47,16.01)
  L6_GND.Cu w0.2: U4.J3 13.39,27.57 v2(13.68,27.29) ; SW6.1 46.47,15.6 v1(46.76,15.31) 47.37,14.7 50.6,14.7 SW6.1
/SW_MULTI3: length 37.9
  L2_3v3+GNDA.Cu w0.2: v1(25.75,10.6) 18.94,10.6 10.84,18.7 v1(10.84,19.2)
  L4_GND.Cu w0.14: 14.08,25.9 14.08,27.54 v2(14.47,27.93)
  L4_GND.Cu w0.2: v1(10.84,19.2) 10.84,21.08 13.55,23.79 13.55,25.37 14.08,25.9
  L6_GND.Cu w0.2: 24.73,11.71 31.61,11.71 ; 14.92,28.38 14.48,27.93 v2(14.47,27.93) ; v1(25.75,10.6) 24.95,11.4 24.95,11.65
/SW_MULTI4: length 21.1
  L3_3v8+GNDA.Cu w0.2: v1(9.4,16.44) 9.4,21.96 11.99,24.55 v1(12.66,24.55)
  L6_GND.Cu w0.2: SW8.1 10.06,17.1 v1(9.4,16.44) ; 18,17.1 17.17,16.27 13.14,16.27 12.31,17.1 11.05,17.1 ; 12.52,25.97 12.52,24.69 v1(12.66,24.55)
/SW_ROTARY: length 63.9
  L1_GND+GNDA.Cu w0.2: 64.8,21.1 63,21.1 62.2,21.9 62.2,22.5
  L2_3v3+GNDA.Cu w0.2: 62.25,22.35 62.25,17.92 60.89,16.56 58.84,16.56 58.5,16.9 52.61,16.9 51.76,16.05 51.24,16.05 50.89,16.4 49.94,16.4 49.59,16.75 49.09,16.75 48.99,16.65 46.15,16.65 44.8,15.3 36.95,15.3 v1(36.3,15.95)
  L5_3v8.Cu w0.14: v2(16.97,27.18) 16.93,27.14 16.93,26.39 17.62,25.7 17.62,22.97 17.69,22.9
  L5_3v8.Cu w0.2: v1(36.3,15.95) 23.9,15.95 22.6,17.25 22.6,19.09 19.8,21.89 18.7,21.89 17.69,22.9
  L6_GND.Cu w0.14: 17.33,26.78 16.97,27.13 v2(16.97,27.18)
